# Altium PCB mV_meter.PcbDoc (part 2 of 3)
Units mil, origin at the board's own origin, x right, y up, seen from the top; angles counter-clockwise.
Board outline 5905.51 x 3937.01 mil, 2 copper layers (TOP, BOT), stack 61.811 mil thick; 225 components, 157 nets, 790 pads, 333 vias.
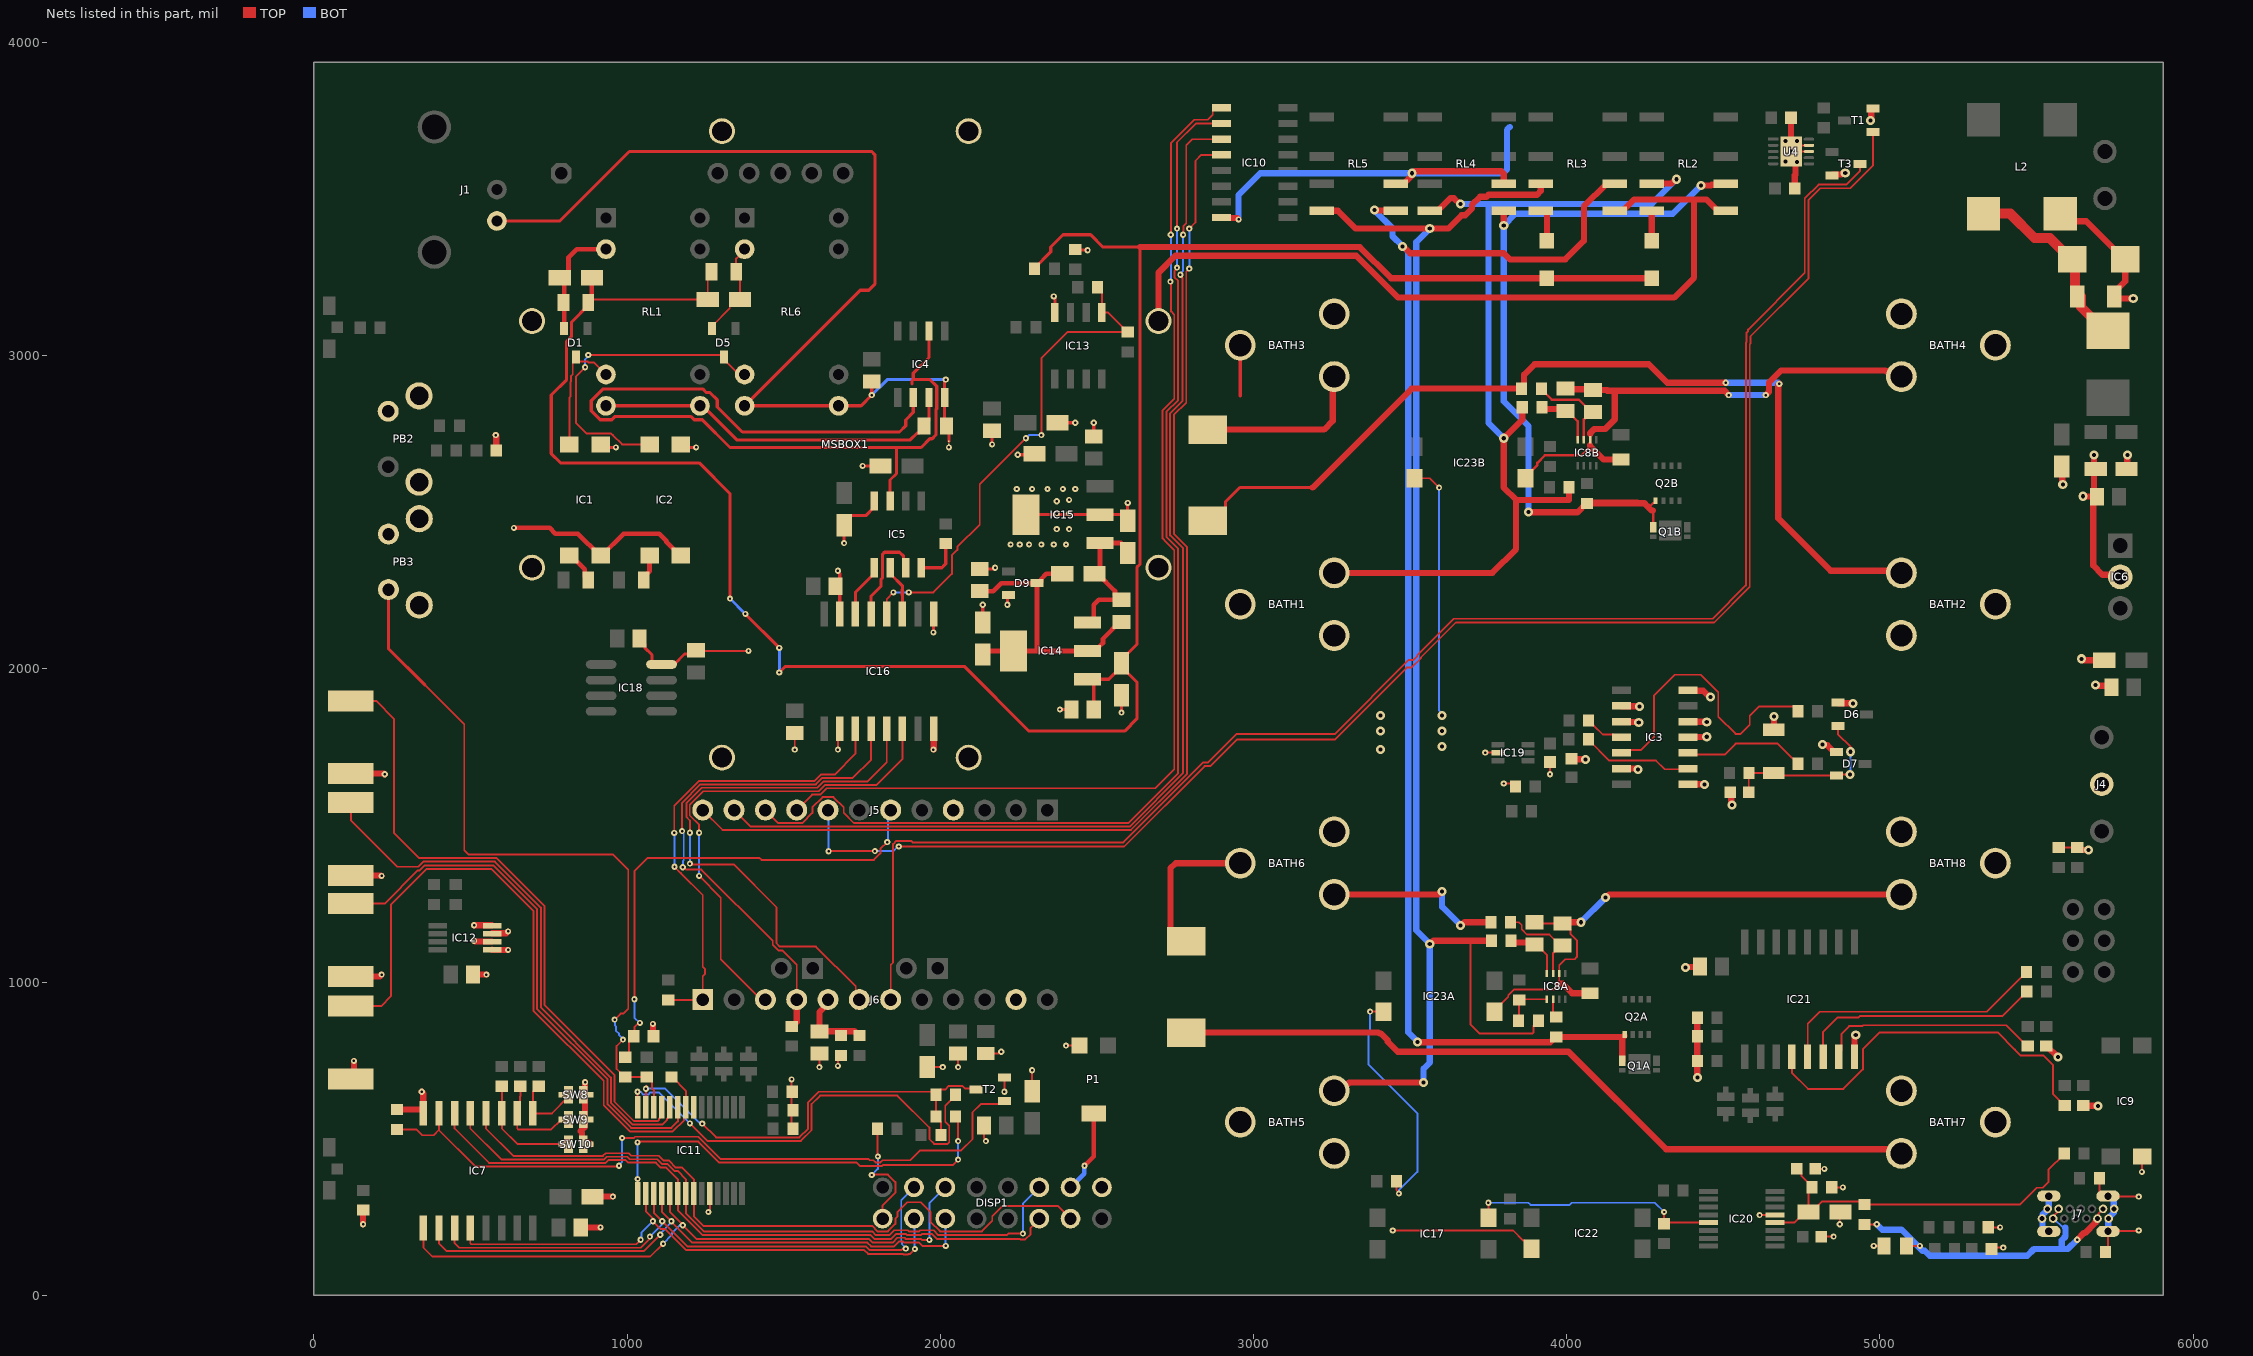
[diagram p2: the nets of this part, all layers, seen from the top]

## Part data (continued)
R42: library part R0603_10M_1%_0.1W_100PPM, "Resistor - 1%", Case=0603, Manufacturer=GENERIC, Manufacturer1 ComponentHeight=0.55mm, Manufacturer1 Example=VISHAY, Manufacturer1 Part Number=CRCW060310M0FKEA, Power=0.1W, Tolerance=±1%, Author="CERN DEM JLC", Component Type=Standard, CreateDate=12.01.2017, HelpURL="\\cern.ch\dfs\Applications\Altium\Datasheets\R0603_VISHAY_CRCW e3.pdf", LatestRevisionDate=12.01.2017, Manufacturer Part Number=R0603_10M_1%_0.1W_100PPM, Mounted=Yes, Part Description="General Purpose Thick Film Chip Resistor", Part Number=R0603_10M_1%_0.1W_100PPM, Pin Count=2, PressFit=No, Sense=No, SMD=Yes, Socket=No, Status=Preferred, TC=±100ppm/°C
R47 R48: library part R0603_27R_1%_0.1W_100PPM, "Resistor - 1%", Case=0603, Manufacturer=GENERIC, Manufacturer1 ComponentHeight=0.55mm, Manufacturer1 Example="NIC COMPONENT", Manufacturer1 Part Number=NRC06F27R0TRF, Power=0.1W, Tolerance=±1%, Author="CERN DEM JLC", Component Type=Standard, CreateDate=03.12.2007, HelpURL=\\cern.ch\dfs\Applications\Altium\Datasheets\R0603_NIC_NRC.pdf, LatestRevisionDate=13.03.2008, Manufacturer Part Number=R0603_27R_1%_0.1W_100PPM, Mounted=Yes, Part Description="General Purpose Thick Film Chip Resistor", Part Number=R0603_27R_1%_0.1W_100PPM, Pin Count=2, PressFit=No, Sense=No, SMD=Yes, Socket=No, Status=Preferred, TC=±100ppm/°C
R49 R50: library part R0603_5K1_1%_0.1W_100PPM, "Resistor - 1%", Case=0603, Manufacturer=GENERIC, Manufacturer1 ComponentHeight=0.55mm, Manufacturer1 Example="NIC COMPONENT", Manufacturer1 Part Number=NRC06F5101TRF, Power=0.1W, Tolerance=±1%, Author="CERN DEM JLC", Component Type=Standard, CreateDate=03.12.2007, HelpURL=\\cern.ch\dfs\Applications\Altium\Datasheets\R0603_NIC_NRC.pdf, LatestRevisionDate=13.03.2008, Manufacturer Part Number=R0603_5K1_1%_0.1W_100PPM, Mounted=Yes, Part Description="General Purpose Thick Film Chip Resistor", Part Number=R0603_5K1_1%_0.1W_100PPM, Pin Count=2, PressFit=No, Sense=No, SMD=Yes, Socket=No, Status=Preferred, TC=±100ppm/°C
RL1 RL6: library part REL_COMUS_3563.1231.051, "SPDT-CO (1 Form C) Miniature Dual In-line Reed Relay", Manufacturer=COMUS, Manufacturer Part Number=3563.1231.051, Author=GK, Component Type=Standard, ComponentHeight=5.5mm, CreateDate=23.01.2018, HelpURL=\\cern.ch\dfs\Applications\Altium\Datasheets\REL_LITTELFUSE_HE721C2400.pdf, LatestRevisionDate=01.02.2018, Mounted=Yes, PackageDescription="DIP 14, 8 Leads, Row Spacing 7.62 mm, Pitch 2.54 mm, Height 5.82mm", Part Description="0.25A/100VDC  SPDT-CO (1 Form C) Miniature Dual In-line Reed Relay", Part Number=REL_COMUS_3563.1231.051, Pin Count=8, PressFit=No, Sense=No, SMD=No, Socket=No, Status=None
RL2 RL3 RL4 RL5: library part REL_TYCO_IM06CGR, "IM Signal Relay (Monostable 1 Coil Non-latching)", Manufacturer="TYCO AXICOM", Manufacturer Part Number="IM06CGR or 9-1462037-9", Author="CERN DEM JLC", Component Type=Standard, ComponentHeight=5.65mm, CreateDate=04.12.2013, HelpURL=\\cern.ch\dfs\Applications\Altium\Datasheets\REL_TYCO_IM06CGR.pdf, LatestRevisionDate=04.12.2013, Mounted=Yes, PackageDescription="8 Gull Wings Leads SMT Relay, IM Series, Body 10mm x 6mm", Part Description="2A/250VAC, DPDT  (2 Form C) SMT High Dielectric Signal Relay, IM Series", Part Number=REL_TYCO_IM06CGR, Pin Count=8, PressFit=No, Sense=Yes, Sense Comment="Cleaning Limitation", SMD=Yes, Socket=No, Status="Not Recommended", Status Comment="Sensitive (See Sensitive Field)"
RN1: library part RN_9M_900k_90k_9k_1k_CADDOCK_1776-C6815, "Ultra-Precision Voltage Dividers 1776 Series", Manufacturer=CADDOCK, Manufacturer Part Number=1776-C6815, Power=31mW, Tolerance=±0.1%, Voltage=1200V, Author=GK, Component Type=Standard, ComponentHeight=15.5mm, CreateDate=27.04.2023, HelpURL=\\cern.ch\dfs\Applications\Altium\Datasheets\RN_CADDOCK_HVD.pdf, LatestRevisionDate=27.04.2023, Mounted=Yes, Part Description="Ultra-Precision Voltage Dividers 1776 Series", Part Number=RN_9M_900k_90k_9k_1k_CADDOCK_1776-C6815, Pin Count=5, PressFit=No, Sense=No, SMD=No, Socket=No, Status=None, TC=±5ppm/°C
SW1 SW2 SW3 SW4 SW5 SW6 SW8 SW9 SW10: library part JUMPSMD0805_G50, "2 SMD Pads for Bound by Solder  Drop", Manufacturer=None, Author="CERN DEM JLC", Component Type="Standard (No BOM)", ComponentHeight=0mm, CreateDate=26.08.2009, Family=Switch, HelpURL=None, LatestRevisionDate=12.02.2021, Manufacturer Part Number=None, Mounted=No, PackageDescription="2 SMD Pads for Bound by Solder Drop - Equivalent Size 0805 - Gap 0.5mm", Part Description="2 SMD Pads for Bound by Solder Drop - Equivalent Size 0805 - Gap 0.5mm", Part Number=JUMPSMD0805_G50, Pin Count=2, PressFit=No, Sense=No, SMD=No, Socket=No, Status=None
SW7: library part SW_APEM_PT65106L254, "Rotary Code Switch 1 2 4 8 C1 C2", Manufacturer=APEM, Manufacturer Part Number=PT65106L254, Author="CERN DEM JLC", Component Type=Standard, ComponentHeight=10mm, CreateDate=18.06.2014, Family=HEX, HelpURL=\\cern.ch\dfs\Applications\Altium\Datasheets\SW_APEM_PT65106L254.pdf, LatestRevisionDate=18.06.2014, Mounted=Yes, PackageDescription="Body 10x10mm, Right Angled Rotary Hexadecimal Code Switch With Screwdriver Actuator, APEM PT65 (CR65) Series", Part Description="Rotary Hexadecimal Right Angled Switch, Screwdriver Actuator, Straight terminals", Part Number=SW_APEM_PT65106L254, Pin Count=6, PressFit=No, Sense=No, SMD=No, Socket=No, Status=None
T1 T2 T3: "N-CHANNEL MOSFET WITH DIODE", Case=SOT23-3, Manufacturer="ON SEMICONDUCTOR", Manufacturer Part Number=BSS138L, Author="CERN DEM JLC", Bonding=No, Component Type=Standard, ComponentHeight=1.11mm, CreateDate=23.03.2009, Device=BSS138LT1G, HelpURL=\\cern.ch\dfs\Applications\Altium\Datasheets\BSS138LT1G.pdf, LatestRevisionDate=25.05.2022, Mounted=Yes, PackageDescription="SOT23, 0.95mm Pitch; 3 Pin, 1.40mm W X 3.00mm L X 1.10mm H body, IPC Medium Density", Part Description="50V, 200mA N-Channel Enhancement Mode Field-Effect Transistor", Part Number=BSS138LT1G, Pin Count=3, PressFit=No, Sense=No, SMD=Yes, Socket=No
U4: library part CMP-0133-00131-2, "IC LI-ION/LI-POLY CTRLR 10-DFN", Case/Package=DFN, Drain To Source Resistance=350mR, Max Charge Current=1.1A, Max Input Voltage=18V, Max Operating Temperature=85°C, Max Output Voltage=8.85V, Max Supply Voltage=13V, Min Operating Temperature=-40°C, Min Output Voltage=8.15V, Min Supply Voltage=4.2V, Operating Supply Current=700uA, Output Voltage=8.4V, Package Quantity=120, Height=0.037inch, Lead Free="Lead Free", Length=0.118inch, Max Output Current=1.1A, Mount="Surface Mount", Number of Cells=2, Number of Channels=2, Number of Pins=10, Packaging=Rail/Tube, Radiation Hardening=No, REACH SVHC="No SVHC", Voltage Rating=8.85V, Width=0.118inch
NT1: Author="CERN DEM JLC", Component Type="Net Tie", ComponentHeight=0mm, CreateDate=22.03.2011, Family="Net Tie", HelpURL=Undefined, LatestRevisionDate=22.03.2011, Mounted=No, PackageDescription="2 Plated Through Hole For Coaxial Cable Link: Hole Dia.=1.4mm Pad Dia.=2.5mm", Part Description="Net Tie (2 Nets)", Part Number="Net Tie", Pin Count=2, Sense=No, SMD=No, Socket=No, Status=None

## Via types
v1: diameter 19.68, hole 7.87, TOP to BOT, 250 vias
v2: diameter 29, hole 13, TOP to BOT, 83 vias

## Nets (pads, with @x,y where several pads share a name; then routed paths per layer and width w, separated by ;. In a path a pad name is that pad's centre, name@x,y a point inside that pad or via, vN(x,y) a via of type N, cw(c..) or ccw(c..) an arc to the next point about the centre after c; other vN are vias at no path point)
ADC_CSn: IC16.3 J6.1 R14.1 | length 1500.9
  TOP w6: R14.1@1131.89,942.91 1240.86,942.91 J6.1@1241.82,943.87 1241.82,1018.32 1249.16,1025.66 1249.16,1041.27 1241.82,1048.61 1241.82,1277.87 1172.06,1347.62 1171.42,1347.62 1151.57,1367.47 v1(1151.57,1368.11) ; v1(1150.62,1476.16) 1150.62,1562.99 1229.83,1642.2 1598.72,1642.2 1619.01,1662.49 1662.49,1662.49 1729.13,1729.13 IC16.3@1729.13,1809.05
  BOT w6: v1(1150.62,1476.16) 1151.1,1475.69 1151.1,1368.59 v1(1151.57,1368.11)
ADC_CSni: IC5.5 IC16.14 | length 172.8
  TOP w10: IC16.14@1729.13,2175.2 1729.13,2243.5 1789.76,2304.13 IC5.5@1789.76,2322.83
ADC_SCK: IC16.4 J6.4 R13.1 | length 1673.5
  TOP w6: v1(1175.68,1481.8) 1175.68,1572.49 1234.39,1631.2 1603.28,1631.2 1623.57,1651.49 1720.38,1651.49 1779.13,1710.24 IC16.4@1779.13,1809.05 ; v1(1177.81,1366.47) 1181.52,1366.47 1188.87,1359.11 1237.35,1359.11 1465.22,1131.24 1465.22,1119.11 1483.29,1101.05 1495.41,1101.05 1541.82,1054.64 J6.4@1541.82,943.87
  TOP w20: R13.1@1525.59,858.27 1527.56,858.27 1541.82,872.52 J6.4@1541.82,943.87
  BOT w6: v1(1175.68,1481.8) 1175.68,1478.1 1181.1,1472.67 1181.1,1388.31 1178.1,1385.31 1178.1,1366.75 v1(1177.81,1366.47)
ADC_SCKi: IC5.7 IC16.13 | length 320.2
  TOP w10: IC16.13@1779.13,2175.2 1779.13,2231.89 1811.02,2263.78 1811.02,2286.22 1815.94,2291.14 1815.94,2366.19 1821.8,2372.05 1870.08,2372.05 1882.95,2359.17 1882.95,2329.65 IC5.7@1889.76,2322.83
ADC_SDO: IC16.6 J6.3 | length 1566.6
  TOP w6: v1(1230.32,1338.58) 1299.21,1269.69 1299.21,1072.83 1428.18,943.87 J6.3@1441.82,943.87 ; v1(1230.32,1476.38) 1230.32,1501.73 1200.35,1531.7 1200.35,1566.05 1243.5,1609.2 1612.39,1609.2 1632.68,1629.49 1796.81,1629.49 1879.13,1711.81 IC16.6@1879.13,1809.05
  BOT w6: v1(1230.32,1338.58) v1(1230.32,1476.38)
ADC_SDOi: IC5.6 IC16.11 | length 165.6
  TOP w10: IC5.6@1839.76,2322.83 1839.76,2304.13 1879.92,2263.98 1879.92,2253.89 1878.76,2252.73 1878.76,2235.46 1879.92,2234.3 1879.92,2175.98 IC16.11@1879.13,2175.2
AGND: C12.1 C16.1 IC4.4 J1.2 NT1.1 RL6.7 RL6.8 | length 3208.7
  TOP w10: J1.2@584.75,3430 786,3430 1007.57,3651.57 1781.5,3651.57 1791.34,3641.73 1791.34,3228.35 1771.65,3208.66 1744.49,3208.66 RL6.7@1375.59,2839.76 RL6.8@1675.59,2839.76 1747.24,2839.76 v1(1781.5,2874.02) C12.1@1781.5,2917.32 ; v1@2013.98,2916.87 IC4.4@2013.98,2866.14 2013.98,2781.3 C16.1@2019.69,2775.59 2027.56,2767.72 NT1.1@2027.56,2726.38
  BOT w10: v1(1781.5,2874.02) 1830.71,2923.23 v1(2017.72,2923.23)
B1+: BATH1.1 R21B.2 R22B.1 RL2.3 RL4.4 | length 3013
  TOP w19.68: BATH1.1@3257.87,2306.3 3762.74,2306.3 3838.58,2382.14 3838.58,2539.37 ; RL4.4@3562.99,3462.6 3588.58,3462.6 3628.94,3502.95 3640.2,3502.95 3658.9,3484.25 v2(3661.42,3484.25) ; R22B.1@3858.27,2835.43 3858.27,2795.28 v2(3799.21,2736.22) 3799.21,2578.74 3838.58,2539.37 ; R21B.2@4007.87,2579.53 4007.87,2539.37 3838.58,2539.37 ; RL2.3@4271.65,3549.21 4334.09,3549.21 4347.87,3562.99 v2(4350.39,3562.99)
  BOT w19.68: v2(3661.42,3484.25) 3750,3484.25 ; v2(3799.21,2736.22) 3750,2785.43 3750,3484.25 ; v2(4350.39,3562.99) 4271.65,3484.25 3750,3484.25
B1-: Q1B.1_2 Q2B.1 R25B.1 RL2.6 RL4.5 | length 2434.1
  TOP w7.87: R25B.1@4064.96,2528.35 4073.04,2536.43 4227.25,2536.43 ; 4257.28,2519.68 4266.72,2519.68 4276.4,2529.36 4280.4,2529.36 4283.46,2532.43 Q2B.1@4283.46,2536.43 ; Q1B.1_2@4276.18,2451.57 4276.18,2505.43
  TOP w19.68: v2(3799.06,3415.35) 3799.06,3462.44 RL4.5@3799.21,3462.6 ; v2(3877.95,2500) 4034.65,2500 4062.99,2528.35 R25B.1@4064.96,2528.35 4073.04,2528.35 4227.15,2528.35 4227.25,2528.44 4248.53,2528.44 4257.28,2519.68 4271.54,2505.43 4276.18,2505.43 ; v2(4429.13,3543.31) 4461.35,3543.31 4463.32,3545.27 4503.94,3545.27 RL2.6@4507.87,3549.21
  BOT w19.68: v2(3877.95,2500) 3877.95,2775.59 3799.06,2854.49 v2(3799.06,3415.35) 3836.46,3452.76 4338.58,3452.76 v2(4429.13,3543.31)
B1_CHG: IC10.3 J5.11 | length 3694.6
  TOP w6: J5.11@1341.82,1548.87 1394.28,1496.41 2604.37,1496.41 2775.59,1667.63 2775.59,2384.6 2734.06,2426.13 2734.06,2815.43 2773.43,2854.8 2773.43,3247.33 2766.59,3254.17 v1(2766.59,3257.87) ; v1(2775.59,3385.83) 2776.43,3386.67 2776.43,3413.32 2785.43,3422.32 2785.43,3671.26 2805.12,3690.94 IC10.3@2897.64,3690.94
  BOT w6: v1(2766.59,3257.87) 2766.59,3261.58 2775.59,3270.58 v1(2775.59,3385.83)
B1_DISCH: IC10.1 J5.9 | length 3510.7
  TOP w6: J5.9@1541.82,1548.87 1591.14,1598.2 1616.95,1598.2 1637.24,1618.49 2686.22,1618.49 2747.19,1679.45 2747.19,2379.06 2719.91,2406.35 2710.06,2416.19 2710.06,2825.37 2747.19,2862.5 2747.19,3131.09 2737.06,3141.21 2737.06,3234.11 v1(2735.02,3236.15) ; v1(2736.22,3385.83) 2736.22,3678.39 2810.78,3752.94 2854.59,3752.94 2870.13,3768.48 2870.13,3782.13 2878.94,3790.94 IC10.1@2897.64,3790.94
  BOT w6: v1(2735.02,3236.15) 2736.22,3237.35 v1(2736.22,3385.83)
B1H: BATH2.1 F3.2 R24B.1 | length 2987.3
  TOP w10: F3.2@2854.33,2472.44 2870.08,2472.44 2910.35,2512.72 2910.35,2532.4 2956.69,2578.74 3188.98,2578.74
  TOP w19.68: 3188.98,2578.74 3504.72,2894.49 R24B.1@3856.3,2894.49
  TOP w20: R24B.1@3856.3,2894.49 3864.02,2902.2 3864.02,2938.82 3897.64,2972.44 4261.81,2972.44 4320.87,2913.39 v1(4507.87,2913.39) ; v1(4678.82,2909.76) 4675.2,2906.14 4675.2,2480.31 4842.52,2312.99 5062.2,2312.99 BATH2.1@5068.9,2306.3
  BOT w20: v1(4507.87,2913.39) 4675.2,2913.39 v1(4678.82,2909.76)
B1L: BATH3.1 F3.1 | length 721.6
  TOP w10: 2957.87,2871.26 BATH3.1@2957.87,3033.07
  TOP w20: F3.1@2854.33,2763.78 3225.46,2763.78 3253,2791.32 BATH3.1@3253,2941
B2+: BATH5.1 R21A.2 R22A.1 RL3.3 RL5.4 | length 4579.1
  TOP w6: 3692.49,1131.89 3692.49,864.6 3721.16,835.93 3891.22,835.93 3894.73,839.44 3894.73,861.27 R21A.2@3909.45,875.98
  TOP w19.68: RL5.4@3218.5,3462.6 3269.69,3462.6 3326.77,3405.51 v2(3562.99,3405.51) 3622.05,3405.51 3664.63,3448.1 3676.39,3448.1 3697.57,3469.28 3697.57,3481.04 3723.69,3507.15 3744.25,3507.15 3750.87,3513.78 3905.31,3513.78 3917.32,3525.79 RL3.3@3917.32,3549.21 ; BATH5.1@3257.87,652.76 3279.18,652.76 3305.56,679.13 v2(3543.31,679.13) ; 3575.36,1131.89 3692.49,1131.89 R22A.1@3759.84,1131.89
  BOT w19.68: v2(3543.31,679.13) 3543.31,723.16 3562.99,742.85 v2(3562.99,1122.05) 3519.94,1165.1 3519.94,3362.46 v2(3562.99,3405.51)
B2-: Q1A.1_2 Q2A.1 R25A.1 RL3.6 RL5.5 | length 4389.5
  TOP w20: v2(3385.83,3464.57) 3386.81,3463.58 3453.74,3463.58 RL5.5@3454.72,3462.6 ; v2(3476.3,3348.72) 3478.19,3348.72 3500.14,3326.77 3799.21,3326.77 3818.9,3307.09 3996.06,3307.09 4055.12,3366.14 4055.12,3476.38 4127.95,3549.21 RL3.6@4153.54,3549.21 ; v2(3523.62,808.06) 3947.82,808.06 3964.57,824.8 4180.96,824.8 Q2A.1@4185.04,828.88 ; Q1A.1_2@4177.76,748.03 4177.76,824.8
  BOT w20: v2(3385.83,3464.57) 3443.92,3406.47 3443.92,3381.09 v2(3476.3,3348.72) 3494.09,3330.92 3494.09,840.02 3523.62,810.49 v2(3523.62,808.06)
B2_CHG: IC10.4 J5.12 | length 3740.3
  TOP w6: J5.12@1241.82,1548.87 1305.28,1485.41 2608.92,1485.41 2787.59,1664.07 2787.59,2389.57 2746.06,2431.1 2746.06,2810.46 2785.43,2849.83 2785.43,3267.2 2795.28,3277.04 v1(2795.28,3277.56) ; v1(2795.28,3405.51) 2814.96,3425.2 2814.96,3622.05 2833.86,3640.94 IC10.4@2897.64,3640.94
  BOT w6: v1(2795.28,3277.56) v1(2795.28,3405.51)
B2_DISCH: IC10.2 J5.10 | length 3709.2
  TOP w6: J5.10@1441.82,1548.87 1483.28,1507.41 1558.99,1507.41 1591.82,1540.23 1591.82,1557.51 1624.64,1590.34 1658.99,1590.34 1691.82,1557.51 1691.82,1540.23 1724.64,1507.41 2599.81,1507.41 2759.19,1666.78 2759.19,2384.04 2731.91,2411.32 2722.06,2421.16 2722.06,2820.4 2759.19,2857.53 2759.19,3238.63 2747.75,3250.07 2747.75,3269.37 2755.91,3277.53 v1(2755.91,3281.23) ; v1(2755.91,3405.51) 2755.91,3681.1 2815.75,3740.94 IC10.2@2897.64,3740.94
  BOT w6: v1(2755.91,3281.23) v1(2755.91,3405.51)
B2H: BATH6.1 F1.2 R24A.1 | length 1074.4
  TOP w20: F1.2@2785.43,1129.92 2770.28,1129.92 2735,1165.2 2735,1363 2751.53,1379.53 BATH6.1@2957.87,1379.53 ; BATH6.1@3257.87,1279.53 3590.08,1279.53 3599.93,1289.37 v2(3602.36,1289.37) ; v2(3661.42,1181.1) 3663.85,1181.1 3673.7,1190.94 R24A.1@3757.87,1190.94
  BOT w20: v2(3602.36,1289.37) 3602.36,1240.16 v2(3661.42,1181.1)
B2L: BATH7.1 F1.1 | length 2446
  TOP w20: F1.1@2785.43,838.58 3399.51,838.58 3402.25,835.84 3406.82,835.84 3428.98,813.67 3428.98,809.11 3460.53,777.56 4005.91,777.56 4317.46,466 5055.65,466 BATH7.1@5068.9,452.76
B3: C14.2 J6.5 R10.1 R11.2 | length 246.5
  TOP w20: J6.5@1641.82,943.87 1641.82,931.17 1614.17,903.53 C14.2@1614.17,842.52 1726.38,842.52 1740.16,828.74 R10.1@1742.13,828.74
BACKLIGNT: IC7.7 R37.2 T2.1 | length 2305.2
  TOP w6: R37.2@265.75,529.53 326.77,529.53 345.47,510.83 382.87,510.83 399.61,527.56 ; IC7.7@399.61,580.71 399.61,527.56 ; v1(974.41,413.39) 972.62,411.6 515.57,411.6 399.61,527.56 ; v1(984.25,501.97) 1022.07,501.97 1026.07,505.98 1227.89,505.98 1299.48,434.39 1771.06,434.39 1774.53,430.91 1786.53,430.91 1793.38,424.07 1808.99,424.07 1815.83,430.91 1904.89,430.91 1936.57,462.6 2066.93,462.6 2102.97,498.64 2102.97,584.04 2129.17,610.24 2172.05,610.24 2172.1,610.28 2194.93,610.28 T2.1@2204.72,620.08
  BOT w6: v1(974.41,413.39) 974.41,417.09 984.25,426.93 v1(984.25,501.97)
BACKLIGNT_Bn: IC11.1 R34.1 | length 1370.4
  TOP w6: v1(1033.46,488.13) 1035.61,490.28 1228.02,490.28 1294.92,423.39 1733.53,423.39 1744.85,412.07 1813.96,412.07 1817.43,415.54 2039.56,415.54 v1(2057.09,433.07) ; v1(1033.96,371.06) 1034.2,370.82 1034.2,325.05 IC11.1@1034.45,324.8 ; R34.1@2049.21,570.87 2057.09,562.99 v1(2057.09,492.13)
  BOT w6: v1(1033.46,488.13) 1033.71,487.89 1033.71,371.31 v1(1033.96,371.06) ; v1(2057.09,433.07) v1(2057.09,492.13)
BACKLIGNT_Gn: IC11.28 R32.1 | length 1482.6
  TOP w6: IC11.28@1034.45,600.39 1033.96,600.89 1033.96,649.11 v1@1034.45,649.61 ; v1(1200.79,548.63) 1256.61,492.81 1555.11,492.81 1588.96,526.66 1588.96,610.14 1616.43,637.61 1863.31,637.61 1965.69,535.22 1965.69,497.96 1980.52,483.13 2023.41,483.13 2028.69,488.4 2028.69,541.26 2016.15,553.8 2016.15,604.73 2049.21,637.8 R32.1@2049.21,639.76
  BOT w6: v1(1033.46,649.61) 1043.23,649.61 1052.23,640.61 1067.84,640.61 1074.69,647.45 1101.97,647.45 v1(1200.79,548.63)
BACKLIGNT_Rn: IC11.27 R31.1 R32.2 R34.2 T2.3 | length 1455
  TOP w6: IC11.27@1060.04,600.39 v1(1060.04,659.45) 1062.66,662.07 1062.66,668.96 1062.99,669.29 ; v1(1240.16,548.13) 1284.48,503.81 1550.56,503.81 1577.96,531.21 1577.96,616.11 1611.46,649.61 1976.38,649.61 R32.2@1986.22,639.76 ; R31.1@2001.97,511.81 2001.97,553.15 1986.22,568.9 R34.2@1986.22,570.87 R32.2@1986.22,639.76 ; T2.3@2114.17,657.48 2112.2,659.45 2079.66,659.45 2070.66,668.45 2027.77,668.45 2015.77,656.45 2000.94,656.45 1986.22,641.73 R32.2@1986.22,639.76
  BOT w6: v1(1060.04,659.45) 1122.05,659.45 1230.31,551.18 1233.41,551.18 1236.45,548.13 v1(1240.16,548.13)
BAT+: C1.1 C2.1 C3.1 C4.2 D2.1 D4.1 IC14.1 R1.2 R3.2 R40.1 | length 7445.7
  TOP w6: R1.2@881.58,3174.89 885.83,3179.13 C2.1@1257.87,3179.13 1257.87,3255.91 R3.2@1269.68,3267.72
  TOP w10: R1.2@875.98,3169.29 875.98,3160.43 823.01,3107.46 823.01,3061.39 807.09,3045.47 807.09,2923.23 757.87,2874.02 757.87,2687.01 787.4,2657.48 1230.32,2657.48 1328.74,2559.06 v1(1328.74,2224.41) ; v1(1377.95,2175.2) v1(1486.22,2066.93) ; v1(1486.22,1988.19) 1505.91,2007.87 2076.77,2007.87 2283.46,1801.18 2588.58,1801.18 2627.95,1840.55 2627.95,1957.68 C3.1@2578.74,2006.89 ; R40.1@2301.18,3277.56 2301.18,3279.53 2352.82,3331.16 2352.82,3346.91 2391.73,3385.83 2480.32,3385.83 2519.69,3346.46 2637.8,3346.46 2637.8,2333.85 2627.95,2324.01 2627.95,2077.76 2578.74,2028.54 C3.1@2578.74,2017.72 C3.1@2578.74,2006.89 ; IC14.1@2470.47,1966.54 IC14.1@2475.47,1966.54 ; C4.2@2490.16,1870.08 2490.16,1951.85 IC14.1@2475.47,1966.54 ; IC14.1@2475.47,1966.54 2538.39,1966.54 C3.1@2578.74,2006.89
  TOP w15: R1.2@885.83,3179.13 887.19,3180.49 887.19,3200.32 887.8,3200.93 C1.1@887.8,3248.03
  TOP w20: 2637.8,3346.46 3339.92,3346.46 3439.52,3246.85 D4.1@3937.01,3246.85 D2.1@4271.65,3246.85
  BOT w10: v1(1328.74,2224.41) v1(1377.95,2175.2) ; v1(1486.22,1988.19) v1(1486.22,2066.93)
BATLOW: IC16.5 J6.6 | length 1805
  TOP w6: v1(1200.79,1377.95) 1202.94,1375.8 1340.26,1375.8 1477.22,1238.84 1477.22,1124.09 1488.26,1113.05 1603.01,1113.05 1730.16,985.9 1730.16,955.53 J6.6@1741.82,943.87 ; v1(1200.79,1476.38) 1200.79,1515.7 1189.35,1527.14 1189.35,1570.6 1238.95,1620.2 1607.83,1620.2 1628.12,1640.49 1768.44,1640.49 1829.13,1701.18 IC16.5@1829.13,1809.05
  BOT w6: v1(1200.79,1377.95) v1(1200.79,1476.38)
BATLOWi: IC13.1 IC16.12 R38.1 R42.2 | length 1623.5
  TOP w6: IC16.12@1829.13,2175.2 1829.13,2222.83 v1(1850.39,2244.09) ; v1(1899.61,2244.09) 1978.35,2244.09 2037.4,2303.15 2037.4,2362.2 2054.65,2379.45 2054.65,2389.3 2125.98,2460.63 2125.98,2588.58 v1(2273.62,2736.22) ; v1(2322.83,2746.06) 2322.83,2992.13 2405.51,3074.8 R38.1@2596.46,3074.8 ; R42.2@2501.97,3218.5 2515.94,3204.53 IC13.1@2515.94,3137.8 2535.43,3137.8 2581.74,3091.49 2581.74,3089.52 R38.1@2596.46,3074.8 ; R38.1@2598.43,3074.8 R38.1@2596.46,3074.8
  BOT w6: v1(1850.39,2244.09) v1(1899.61,2244.09) ; v1(2273.62,2736.22) 2283.46,2746.06 v1(2322.83,2746.06)
CAL_SW: C33.2 J5.6 R18.1 | length 1589.5
  TOP w6: R18.1@994.09,759.84 1005.95,771.7 1005.95,811.07 1023.62,828.74 1023.62,855.46 1037.55,869.39 v1(1041.07,869.39) ; v1(1023.62,944.88) 1023.62,1354.33 1065.09,1395.8 1423.49,1395.8 1429.64,1389.64 1788.04,1389.64 1809.18,1410.77 1809.18,1425.32 v1(1830.71,1446.85)
  BOT w6: v1(1023.62,944.88) 1023.62,885.83 1040.06,869.39 v1(1041.07,869.39) ; v1(1830.71,1446.85) 1833.33,1449.47 1833.33,1540.38 J5.6@1841.82,1548.87
CHRG_ON: J5.8 T1.1 | length 5095
  TOP w6: v1(1643.7,1417.32) 1644.12,1417.74 1790.92,1417.74 v1(1791.34,1418.17) ; v1(1867.3,1432.72) 2587.35,1432.72 2843.85,1689.22 2862.44,1689.22 2947.03,1773.81 3259.04,1773.81 3489.23,2004 3504.54,2004 3534.94,2034.4 3534.94,2036.16 3646.6,2147.83 4470.66,2147.83 4584.46,2261.62 4584.46,3036.47 4586.61,3038.62 4586.61,3061.02 4772.31,3246.72 4772.31,3497.03 4809.48,3534.2 4905.2,3534.2 4978.28,3607.28 T1.1@4978.28,3713.6
  BOT w6: J5.8@1641.82,1548.87 1642.76,1547.93 1642.76,1418.27 v1(1643.7,1417.32) ; v1(1791.34,1418.17) 1850.05,1418.17 1864.61,1432.72 v1(1867.3,1432.72)
CHRG_STATn: J6.7 T3.3 | length 5119.4
  TOP w6: J6.7@1841.82,943.87 1841.82,1054.41 1849.74,1062.34 1849.74,1425.05 1849.46,1425.33 1849.46,1440.11 1859.91,1450.56 1907.05,1450.56 1911.9,1445.72 2584.79,1445.72 2840.29,1701.22 2855.16,1701.22 2945.29,1791.34 3259.6,1791.34 3496.5,2028.24 3511.81,2028.24 3522.94,2039.37 3522.94,2042.85 3639.91,2159.83 4465.69,2159.83 4572.46,2266.59 4572.46,3041.44 4574.61,3043.59 4574.61,3073.58 4579.26,3078.22 4579.26,3083.19 4760.31,3264.24 4760.31,3502 4804.51,3546.2 4892.8,3546.2 4937.01,3590.41 T3.3@4937.01,3612.2
CONTRAST: DISP1.3 P1.2 | length 266.9
  TOP w15: v1(2460.63,413.39) 2490.16,442.91 P1.2@2490.16,580.71
  BOT w15: DISP1.3@2416.14,344.49 2459.73,388.08 2459.73,412.49 v1(2460.63,413.39)
GND: C8.2 C9.1 C13.1 C14.1 C15.1 C21.1 C22.1 C23.2 C24.1 C25.1 C26.2 C27.1 C30.1 C31.1 C32.2 C33.1 C34.1 C35.2 C36.1 C42.1 C45.1 C46.1 C47.1 C52.1 C53.1 D3.2 D6.1 D7.1 D8.2 DISP1.1 IC1.2 IC2.2 IC3.1 IC3.4 IC3.5 IC3.7 IC3.9 IC3.10 IC3.13 IC6.2 IC7.8 IC10.8 IC11.10 IC12.1 IC12.2 IC12.3 IC12.4 IC16.2 IC16.8 IC19.2 IC21.8 IC22.2 IC23A.2 IC23B.2 J4.2 J5.4 J6.11 L2.3 P1.1 PB1.1 PB2.1 PB2.3 PB2.4 PB3.1 PB3.3 PB3.4 PB4.1 PB5.1 PB6.1 R11.1 R19.1 R20.1 R29.1 R36.1 R37.1 R51.1 R52.1 R57.1 R58.1 R59.1 R60.1 R62.1 R64.1 R69.1 RL4.6 RL5.6 SW8.1 SW9.1 SW10.1 T1.2 T2.2 T3.2 U4.8 U4.9 U4.11 | length 9257.4
  TOP w6: v1(1259.84,265.75) 1259.84,269.45 1264.76,274.37 IC11.10@1264.76,324.8 ; v1(1525.59,688.98) 1525.59,535.43 R19.1@1529.53,531.5 ; v1(1535.43,1742.13) C13.1@1535.43,1795.28 ; v1(1614.17,728.35) C14.1@1614.17,771.65 ; v1(1673.23,732.02) 1673.23,755.91 R11.1@1683.07,765.75 ; v1(1673.23,1742.13) 1673.23,1803.15 IC16.2@1679.13,1809.05 ; C8.2@1958.66,728.35 v1(2007.87,728.35) ; v1(2057.09,728.35) C9.1@2057.09,771.65 ; C27.1@2139.76,541.34 2139.76,501.73 2145.67,495.83 v1(2145.67,492.13) ; C15.1@2145.67,771.65 2185.27,771.65 2191.18,777.56 v1(2194.88,777.56) ; v1(2204.72,649.61) T2.2@2204.72,694.88 ; C32.2@2293.31,651.57 v1(2293.31,718.5) ; v1(2401.57,797.24) P1.1@2444.88,797.24 ; v1(3372.3,905.51) 3414.57,905.51 IC23A.2@3415.35,904.72 ; v1(3444.88,206.69) 3828.74,206.69 3861.27,174.17 3865.2,174.17 3887.8,151.57 IC22.2@3887.8,147.64 ; R64.1@3456.69,364.17 3456.69,335.49 3464.57,327.61 v1(3464.57,324.8) ; IC23B.2@3513.78,2608.27 3562.99,2608.27 v1(3592.52,2578.74) ; v1(3740.16,1732.28) IC19.2@3780.51,1732.28 ; v1(3799.21,1633.86) 3826.77,1633.86 R62.1@3836.61,1624.02 ; v1(3946.85,1663.39) C42.1@3946.85,1702.76 ; v2(4716.45,3651.57) U4.8@4773.62,3651.57 ; U4.11@4736.14,3671.26 U4.11@4747.9,3671.26 ; U4.11@4745.81,3684.44 4747.9,3682.34 U4.11@4747.9,3671.26 ; U4.9@4773.62,3671.26 U4.11@4747.9,3671.26 ; R58.1@5570.87,1429.13 R59.1@5629.92,1429.13